# Altium PCB PROB_S7CAS_PCB.PcbDoc (part 5 of 6)
Units mil, origin at the board's own origin, x right, y up, seen from the top; angles counter-clockwise.
Board outline 5946.03 x 10918.8 mil, 16 copper layers (Top, Ground Plane 1, Data 1, Ground Plane 2, Data 2, Ground Plane 3, Power Plane 1, Ground plane 4, Power Plane 2, Ground Plane 5, Ground Plane 6, Data 3, Ground Plane 7, Data 4, Groud Plane 8, Bottom), stack 69.344 mil thick; 467 components, 340 nets, 2151 pads, 1273 vias.
Unrouted connection lines stored in the file: 425.
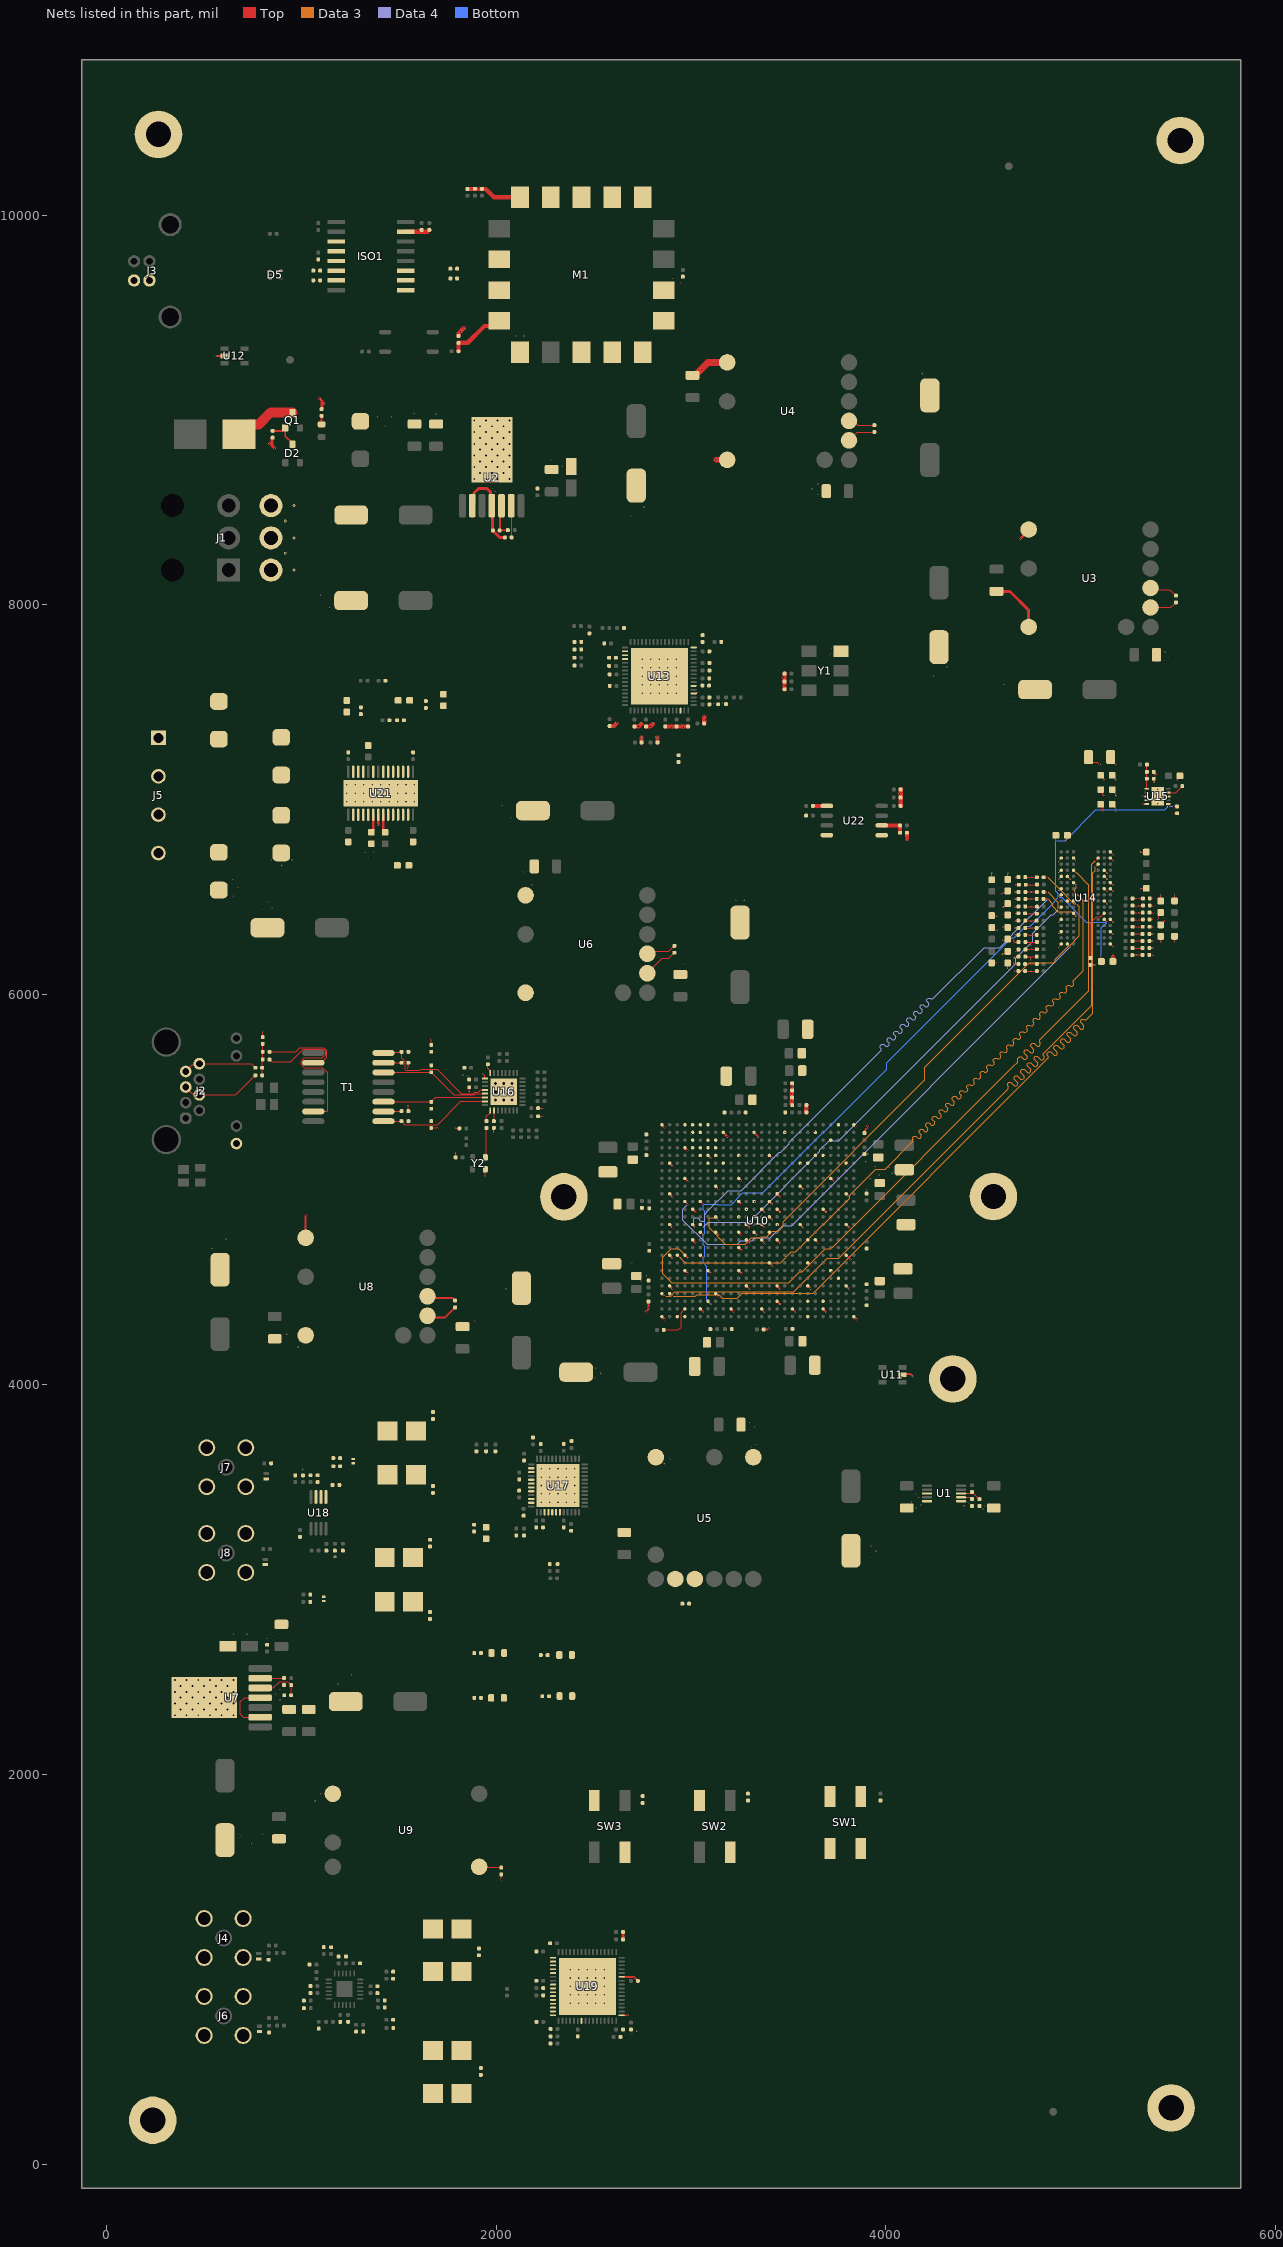
[diagram p19: the nets of this part, all layers, seen from the top]

## Via types
v1: diameter 7, hole 4, Top to Bottom, 1079 vias
v2: diameter 19.68, hole 7.87, Top to Bottom, 110 vias
v3: diameter 20, hole 10, Top to Bottom, 78 vias
v4: diameter 15, hole 4, Top to Bottom, 5 vias
v5: diameter 15, hole 6, Top to Bottom, 1 vias

## Nets (pads, with @x,y where several pads share a name; then routed paths per layer and width w, separated by ;. In a path a pad name is that pad's centre, name@x,y a point inside that pad or via, vN(x,y) a via of type N, cw(c..) or ccw(c..) an arc to the next point about the centre after c; other vN are vias at no path point) (continued)
DDR3_LDQS_P: U10.V3 U14.F3 | length 3884.9
  Top w4: U10.V3@2929.42,4663.62 2929.94,4663.62 2943.85,4649.71 v1(2944.36,4649.71) ; U14.F3@4962.28,6575.41 v1@4976.53,6561.16
  Data 3 w4: v1(2944.36,4649.71) 2967.99,4626.08 3459.89,4626.08 3514.05,4680.24 3537.83,4680.24 3813.96,4956.38 3813.96,4972.36 3946.99,5105.39 3995.42,5105.39 4135.62,5245.59 4137.03,5247 4137.03,5257.18 4136.61,5257.61 4136.61,5267.79 4143.4,5274.58 4153.58,5274.58 4164.61,5263.55 4174.79,5263.55 4181.58,5270.34 4181.58,5280.52 4170.55,5291.55 4170.55,5301.73 4177.34,5308.52 4187.52,5308.52 4198.55,5297.49 4208.73,5297.49 4215.52,5304.28 4215.52,5314.46 4204.49,5325.49 4204.49,5335.67 4211.28,5342.46 4221.46,5342.46 4232.49,5331.43 4242.67,5331.43 4249.46,5338.22 4249.46,5348.4 4238.43,5359.43 4238.43,5369.61 4245.22,5376.4 4255.4,5376.4 4266.43,5365.37 4276.62,5365.37 4283.4,5372.16 4283.4,5382.34 4272.37,5393.37 4272.37,5403.55 4279.16,5410.34 4289.34,5410.34 4300.37,5399.31 4310.56,5399.31 4317.35,5406.1 4317.35,5416.28 4306.31,5427.31 4306.31,5437.5 4313.1,5444.28 4323.28,5444.28 4334.32,5433.25 4344.5,5433.25 4351.29,5440.04 4351.29,5450.22 4340.26,5461.25 4340.26,5471.44 4347.04,5478.22 4357.23,5478.22 4368.26,5467.19 4378.44,5467.19 4385.23,5473.98 4385.23,5484.16 4378.17,5491.23 4378.17,5501.41 4384.95,5508.2 4395.14,5508.2 4402.2,5501.13 4412.38,5501.13 4419.17,5507.92 4419.17,5518.11 4415.67,5521.6 4415.67,5531.79 4422.46,5538.57 4432.64,5538.57 4436.14,5535.08 4446.32,5535.08 4453.11,5541.86 4453.11,5552.05 4449.61,5555.54 4449.61,5565.73 4456.4,5572.51 4466.58,5572.51 4470.08,5569.02 4480.26,5569.02 4487.05,5575.81 4487.05,5585.99 4483.55,5589.49 4483.55,5599.67 4490.34,5606.46 4500.52,5606.46 4504.02,5602.96 4514.2,5602.96 4520.99,5609.75 4520.99,5619.93 4517.49,5623.43 4517.49,5633.61 4524.28,5640.4 4534.46,5640.4 4537.96,5636.9 4548.14,5636.9 4554.93,5643.69 4554.93,5653.87 4551.44,5657.37 4551.44,5667.55 4558.22,5674.34 4568.41,5674.34 4571.9,5670.84 4582.09,5670.84 4588.87,5677.63 4588.87,5687.81 4585.38,5691.31 4585.38,5701.49 4592.16,5708.28 4602.35,5708.28 4605.84,5704.78 4616.03,5704.78 4622.82,5711.57 4622.82,5721.75 4619.32,5725.25 4619.32,5735.43 4626.11,5742.22 4636.29,5742.22 4639.79,5738.72 4649.97,5738.72 4656.76,5745.51 4656.76,5755.69 4653.26,5759.19 4653.26,5769.37 4660.05,5776.16 4670.23,5776.16 4673.73,5772.66 4683.91,5772.66 4690.7,5779.45 4690.7,5789.63 4687.2,5793.13 4687.2,5803.31 4693.99,5810.1 4704.17,5810.1 4707.67,5806.61 4717.85,5806.61 4724.64,5813.39 4724.64,5823.58 4721.14,5827.07 4721.14,5837.26 4727.93,5844.04 4738.11,5844.04 4741.61,5840.55 4751.79,5840.55 4758.58,5847.33 4758.58,5857.52 4755.08,5861.01 4755.08,5871.2 4761.87,5877.98 4772.05,5877.98 4775.55,5874.49 4785.73,5874.49 4792.52,5881.28 4792.52,5891.46 4789.02,5894.96 4789.02,5905.14 4795.81,5911.93 4805.99,5911.93 4809.49,5908.43 4819.67,5908.43 4826.46,5915.22 4826.46,5925.4 4822.96,5928.9 4822.96,5939.08 4829.75,5945.87 4839.93,5945.87 4843.43,5942.37 4853.62,5942.37 4860.4,5949.16 4860.4,5959.34 4856.91,5962.84 4856.91,5973.02 4863.69,5979.81 4873.88,5979.81 4877.37,5976.31 4887.56,5976.31 4894.34,5983.1 4894.34,5993.28 4890.85,5996.78 4890.85,6006.96 4897.63,6013.75 4907.82,6013.75 4911.31,6010.25 4921.5,6010.25 4928.29,6017.04 4928.29,6027.22 4924.79,6030.72 4924.79,6040.9 4931.58,6047.69 4941.76,6047.69 4945.26,6044.19 4955.44,6044.19 4962.23,6050.98 4962.23,6061.16 4961.8,6061.59 4961.8,6071.77 4965.59,6075.56 5013,6122.97 5013,6469.1 5010,6472.1 5010,6486.33 4982.82,6513.5 4980.7,6513.5 4968.07,6526.14 4968.07,6538.99 4976.57,6547.49 v1(4976.57,6561.16)
DDR3_ODT: R48.1 U10.P6 U14.K1 | length 2698.4
  Top w4: R48.1@4809.18,6527.04 4824,6527.04 4826.59,6529.64 v1(4827.4,6529.64) ; v1(4884.95,6435.85) 4885.31,6435.85 4898.88,6449.42 U14.K1@4899.24,6449.42
  Data 3 w4: v1(4827.4,6529.64) 4884.95,6472.1 v1(4884.95,6435.85)
  Data 4 w4: v1(3061.86,4806.85) 3088.65,4833.64 3297.52,4833.64 3660.91,5197.03 3660.91,5203.36 3708.51,5250.96 3757.01,5250.96 4665.93,6159.88 4665.93,6186.72 4753.7,6274.48 4753.7,6315.98 4847.25,6409.53 4858.62,6409.53 v1(4884.95,6435.85)
DDR3_RAS: R54.1 U10.N8 U14.J3 | length 3183.2
  Top w4: U10.N8@3126.27,4860.47 v1(3140.6,4846.22) ; R54.1@4809.08,6602.35 v1(4830,6602.35) ; U14.J3@4962.28,6480.92 v1@4976.53,6466.67
  Data 3 w4: v1(3140.6,4846.22) 3132.1,4854.72 3097.71,4854.72 3092.73,4849.74 3092.73,4803.33 3176.45,4719.61 3277.56,4719.61 3309.93,4751.98 3353.55,4751.98 3360.29,4758.73 3389.59,4758.73 3417.15,4786.29 3447.02,4786.29 3472.43,4811.7 3472.43,4836.26 4199.77,5563.6 4199.77,5627.86 4735.87,6163.97 4861.45,6163.97 4867.48,6170 4867.48,6180.63 4941.55,6254.7 4944.32,6254.7 4992,6302.38 4992,6451.23 v1(4976.57,6466.67) 4964.55,6466.67 4886.06,6545.15 4886.06,6546.29 v1(4830,6602.35)
DDR3_RESET: U10.L4 U14.T2 | length 2803
  Top w4: U10.L4@2968.79,4939.21 v1(2983.12,4924.96) ; U14.T2@4930.78,6260.44 v1@4945.03,6246.2
  Data 4 w4: v1(2983.12,4924.96) 2958.58,4900.42 2958.58,4844.13 3083.1,4719.61 3238.19,4719.61 3255.19,4736.61 3314.13,4736.61 3329.5,4751.98 3406.88,4751.98 3470.25,4815.35 3516.23,4815.35 4943.57,6242.7 4943.57,6243.88 4945.07,6245.38 v1(4945.07,6246.2)
DDR3_UDM: U10.V4 U14.D3 | length 3906.5
  Top w4: U10.V4@2968.79,4663.62 2969.31,4663.62 2983.22,4649.71 v1(2983.73,4649.71) ; U14.D3@4962.28,6638.4 4974.73,6625.94 4977.21,6625.94 v1(4977.79,6625.37)
  Data 3 w4: v1(2983.73,4649.71) 2936.2,4697.24 2899.41,4697.24 2855.06,4652.89 2855.06,4568.53 2900.82,4522.76 3501.47,4522.76 3557.84,4579.13 3571.04,4579.13 3683.28,4691.37 3683.28,4692.26 3688.26,4697.24 3717.73,4697.24 3724.73,4704.24 3726.15,4704.24 4654.12,5632.21 4676.56,5654.66 4676.56,5664.84 4676.56,5675.02 4683.35,5681.81 4693.53,5681.81 4707.47,5667.87 4717.65,5667.87 4724.44,5674.66 4724.44,5684.84 4708.85,5700.43 4708.85,5710.61 4715.64,5717.4 4725.83,5717.4 4741.61,5701.61 4751.8,5701.61 4758.58,5708.4 4758.58,5718.58 4742.8,5734.37 4742.8,5744.55 4749.58,5751.34 4759.77,5751.34 4775.56,5735.55 4785.74,5735.55 4792.53,5742.34 4792.53,5752.52 4788.57,5756.48 4788.57,5766.66 4789.98,5768.08 5041,6019.1 5041,6562.16 v1(4977.79,6625.37)
DDR3_UDQS_N: U10.AC1 U14.B7 | length 3905.7
  Top w4: U10.AC1@2850.68,4466.77 v1(2865.01,4452.52) ; v1(5073.92,6687.82) 5074.28,6687.82 5087.86,6701.39 U14.B7@5088.22,6701.39
  Data 3 w4: v1(2865.01,4452.52) 2892.28,4452.52 2916.15,4476.39 3526.44,4476.39 3698.62,4648.58 3757.62,4648.58 4626.27,5517.23 4627.68,5518.65 4627.68,5528.83 4623.72,5532.79 4623.72,5542.97 4630.51,5549.76 4640.69,5549.76 4658.79,5531.66 4668.98,5531.66 4675.76,5538.44 4675.76,5548.63 4657.66,5566.73 4657.66,5576.91 4664.45,5583.7 4674.63,5583.7 4692.74,5565.6 4702.92,5565.6 4709.71,5572.39 4709.71,5582.57 4691.6,5600.67 4691.6,5610.85 4698.39,5617.64 4708.57,5617.64 4726.68,5599.54 4736.86,5599.54 4743.65,5606.33 4743.65,5616.51 4725.54,5634.61 4725.54,5644.79 4732.33,5651.58 4742.52,5651.58 4760.62,5633.48 4770.8,5633.48 4777.59,5640.27 4777.59,5650.45 4759.49,5668.55 4759.49,5678.74 4766.27,5685.52 4776.46,5685.52 4794.56,5667.42 4804.74,5667.42 4811.53,5674.21 4811.53,5684.39 4807.57,5688.35 4807.57,5698.53 4809.49,5700.46 5055.01,5945.97 5055.01,6285.26 5055,6668.9 v1(5073.92,6687.82)
DDR3_UDQS_P: U10.AC2 U14.C7 | length 3906.3
  Top w4: U10.AC2@2890.05,4466.77 v1(2904.3,4452.52) ; v1(5073.92,6656.32) 5074.28,6656.32 5087.86,6669.89 U14.C7@5088.22,6669.89
  Data 3 w4: v1(2904.3,4452.52) 3020.37,4452.52 3028.87,4461.02 3144.12,4461.02 3161.12,4444.02 3238.19,4444.02 3263.56,4469.39 3625.93,4469.39 4830.34,5673.8 4831.75,5675.21 4831.75,5685.39 4827.79,5689.35 4827.79,5699.54 4834.58,5706.32 4844.76,5706.32 4862.86,5688.22 4873.05,5688.22 4879.83,5695.01 4879.83,5705.19 4861.73,5723.29 4861.73,5733.48 4868.52,5740.26 4878.7,5740.26 4896.81,5722.16 4906.99,5722.16 4913.78,5728.95 4913.78,5739.13 4895.67,5757.24 4895.67,5767.42 4902.46,5774.21 4912.64,5774.21 4930.75,5756.1 4940.93,5756.1 4947.72,5762.89 4947.72,5773.07 4929.62,5791.18 4929.62,5801.36 4936.4,5808.15 4946.59,5808.15 4964.69,5790.04 4974.87,5790.04 4981.66,5796.83 4981.66,5807.02 4963.56,5825.12 4963.56,5835.3 4970.34,5842.09 4980.53,5842.09 4998.63,5823.99 5008.81,5823.99 5015.6,5830.77 5015.6,5840.96 4998.2,5858.36 4998.2,5868.54 5004.99,5875.33 5015.17,5875.33 5018.43,5872.07 5028.61,5872.07 5055.33,5898.79 5062.01,5905.47 5062.01,6624.93 5073.92,6636.85 v1(5073.92,6656.32)
DDR3_VTT: C124.2 C125.2 C126.2 C129.2 C130.2 C131.2 C132.2 C133.2 C134.2 C135.2 C136.2 C137.2 C138.2 C139.2 C140.2 C141.2 C142.2 C143.2 C144.2 C145.2 C146.2 C147.2 C148.2 C149.2 C150.2 C151.2 C152.2 C153.2 C154.2 C155.2 C156.2 C157.2 C158.2 R34.2 R35.2 R36.2 R37.2 R38.2 R39.2 R40.2 R41.2 R42.2 R43.2 R44.2 R45.2 R46.2 R47.2 R48.2 R49.2 R50.2 R51.2 R52.2 R53.2 R54.2 R55.2 R56.2 U15.3 U15.5 | length 1759.9
  Top w4: v1(4594.34,6518.07) 4595.15,6518.07 4600.05,6522.97 4614.91,6522.97 C130.2@4624.46,6532.52 ; v1(4596.14,6208.16) 4596.95,6208.16 4601.46,6212.67 4614.75,6212.67 C133.2@4624.46,6222.39 ; v1(4600,6278.63) 4617.78,6278.63 C132.2@4624.46,6285.31 ; v1(4601.41,6450.22) 4601.98,6450.8 4606.13,6450.8 4622.83,6467.49 C131.2@4624.46,6467.49 ; C149.2@4714.19,6121.25 R47.2@4773.89,6121.25 ; C145.2@4714.19,6157.7 4714.59,6158.1 v1@4742.85,6158.1 ; C153.2@4714.22,6417.71 4715.33,6416.6 4773,6416.6 R51.2@4774.1,6415.5 ; C151.2@4714.4,6380.26 4714.59,6380.06 4772.86,6380.06 R49.2@4773.05,6379.87 ; C136.2@4714.46,6306.76 4733.7,6306.76 4735.1,6305.35 v1(4745.2,6305.35) ; C139.2@4714.43,6342.32 4714.66,6342.1 4737.8,6342.1 4739.11,6343.4 v1(4749.3,6343.4) ; C155.2@4714.65,6453.16 4715.41,6452.4 4773.64,6452.4 R53.2@4774.4,6451.63 ; C156.2@4714.77,6603.31 4715.25,6602.83 4773.6,6602.83 R54.2@4774.08,6602.35 ; C157.2@4715,6491.18 R56.2@4773.71,6491.18 ; C150.2@4715.01,6527.04 R48.2@4774.18,6527.04 ; C143.2@4715.19,6195.35 4715.4,6195.56 4743.41,6195.56 ; C141.2@4715.19,6270.13 4741.89,6270.13 ; C138.2@4715.44,6231.72 4716.19,6232.47 4773.42,6232.47 R36.2@4774.17,6233.22 ; C158.2@4717.03,6564.28 4717.55,6564.8 4774.25,6564.8 R55.2@4774.77,6565.32 ; v1(4743.25,6155.47) 4743.25,6157.7 R43.2@4773.9,6157.71 ; v1(4743.62,6179.85) 4743.62,6195.35 R41.2@4773.74,6195.35 ; v1@4743.81,6306.62 4773.27,6306.62 R34.2@4773.43,6306.45 ; v1(4743.88,6252.64) 4743.88,6262.16 4741.89,6264.14 4741.89,6270.13 ; v1@4750.83,6342.33 R37.2@4773.23,6342.33 ; R39.2@4774.4,6270.13 4741.89,6270.13 ; C129.2@5152.62,7219 5152.62,7207.61 5179.39,7180.83 v1(5180,7180.83) ; C126.2@5160.69,6976.66 5160.69,6975.02 5180,6955.71 v1(5180,6940) ; C125.2@5160.69,7052.3 5160.69,7050.66 5180,7031.35 v1(5180,7017.21) ; C124.2@5160.69,7125.48 5160.69,7123.84 5179.43,7105.1 5179.43,7100.57 v1(5180,7100) ; R42.2@5264.09,6203.14 5264.67,6203.72 5315.37,6203.72 C144.2@5315.95,6204.3 ; R40.2@5264.19,6275.69 C142.2@5316.36,6275.7 ; R45.2@5264.3,6239.49 C147.2@5316.36,6239.5 ; R44.2@5264.31,6457.65 C146.2@5318.3,6457.65 ; R38.2@5264.51,6312.31 5265.08,6311.73 5315.79,6311.73 C140.2@5316.36,6311.16 ; R46.2@5265.06,6421.39 C148.2@5317.18,6421.4 ; R35.2@5265.11,6348.76 C137.2@5317.23,6348.76 ; R52.2@5265.11,6493.74 C154.2@5318.3,6493.75 ; R50.2@5265.34,6385.62 C152.2@5317.75,6385.62 ; v1(5315.37,7017.21) U15.3@5338.6,7017.21 ; v1(5315.95,6976.66) 5316.76,6976.66 5317.94,6977.84 U15.5@5338.6,6977.84 ; v1(5393.72,6390) 5400.42,6396.74 5400.42,6412.87 C135.2@5409.47,6421.92 ; C134.2@5409.47,6358.4 5409.47,6358.9 5429.43,6378.86 5429.43,6385.85 v1(5430,6386.43)
  other v1: 4744.04,6121.25 5290.02,6203.72 4744.81,6232.47 5290.33,6239.5 5290.28,6275.69 5290.43,6311.73 5291.17,6348.76 4743.72,6380.06 5291.54,6385.62 4744.16,6416.6 5291.12,6421.4 4744.53,6452.4 5291.3,6457.65 4744.36,6491.18 5291.7,6493.75 4744.59,6527.04 4745.9,6564.8 4744.43,6602.83
DDR3_WE: R56.1 U10.P5 U14.L3 | length 3140.8
  Top w4: U10.P5@3008.16,4821.1 v1(3022.49,4806.85) ; R56.1@4808.71,6491.18 v1(4830,6491.18) ; U14.L3@4962.24,6417.92 v1(4976.5,6403.68)
  Data 3 w4: v1(4830,6491.18) 4856,6465.18 4856,6452.77 4882.1,6426.67 4953.57,6426.67 v1(4976.5,6403.68) v1(4976.5,6403.68)
  Data 4 w4: v1(3022.49,4806.85) 3013.99,4815.35 3013.99,4849.74 3018.97,4854.72 3033.68,4854.72 3050.68,4837.72 3065.38,4837.72 3070.36,4842.7 3070.36,4857.41 3070.36,4872.17 3080.94,4882.75 3080.94,4886.4 3189.74,4995.2 3256.62,4995.2 3453.47,5192.05 3459.09,5192.05 3503.43,5236.4 3503.43,5242.02 3974.37,5712.95 3975.78,5714.37 3975.78,5724.55 3971.82,5728.51 3971.82,5738.69 3978.61,5745.48 3988.79,5745.48 3998.97,5735.3 4009.15,5735.3 4015.94,5742.09 4015.94,5752.27 4005.76,5762.45 4005.76,5772.63 4012.55,5779.42 4022.74,5779.42 4032.91,5769.24 4043.1,5769.24 4049.88,5776.03 4049.88,5786.22 4039.71,5796.39 4039.71,5806.58 4046.49,5813.36 4056.68,5813.36 4066.85,5803.19 4077.04,5803.19 4083.83,5809.97 4083.83,5820.16 4073.65,5830.33 4073.65,5840.52 4080.44,5847.31 4090.62,5847.31 4100.8,5837.13 4110.98,5837.13 4117.77,5843.92 4117.77,5854.1 4107.59,5864.28 4107.59,5874.46 4114.38,5881.25 4124.56,5881.25 4134.74,5871.07 4144.92,5871.07 4151.71,5877.86 4151.71,5888.04 4141.53,5898.22 4141.53,5908.4 4148.32,5915.19 4158.5,5915.19 4168.68,5905.01 4178.86,5905.01 4185.65,5911.8 4185.65,5921.98 4175.47,5932.16 4175.47,5942.34 4182.26,5949.13 4192.44,5949.13 4202.62,5938.95 4212.8,5938.95 4219.59,5945.74 4219.59,5955.92 4209.41,5966.1 4209.41,5976.28 4216.2,5983.07 4226.38,5983.07 4230.34,5979.11 4240.52,5979.11 4242.4,5980.98 4503.14,6241.72 4583.62,6241.72 4651.5,6309.61 4651.5,6311.92 4830,6490.42 v1(4830,6491.18)
DDR_VREF: C128.2 C160.2 C161.2 U10.AD7 U10.L6 U10.R6 U10.V6 U14.H1 U14.M8 U15.6 | length 4712.8
  Top w4: U10.V6@3047.53,4663.62 3048.05,4663.62 3061.96,4649.71 v1(3062.47,4649.71) ; U10.R6@3047.57,4781.73 v1@3061.82,4767.48 ; U10.L6@3047.57,4939.21 v1@3061.82,4924.96 ; U10.AD7@3086.9,4427.4 v1(3101.23,4413.15) ; v1(4871.74,6790) C161.2@4871.74,6817.21 ; v1(4884.95,6498.84) 4885.31,6498.84 4898.88,6512.41 U14.H1@4899.24,6512.41 ; C160.2@5105.23,6170.6 v1(5105.23,6195.35) ; U14.M8@5119.76,6386.43 5134.06,6372.13 5135.85,6372.13 v1(5136.42,6371.55) ; v1(5448.84,6965.83) U15.6@5448.84,6977.84 ; v1(5474.24,6966.01) 5474.33,6965.92 5493.63,6965.92 C128.2@5493.72,6965.83
  Bottom w4: v1(3101.23,4413.15) 3081.85,4432.53 3081.85,4605.48 3062.47,4624.87 v1(3062.47,4649.71) 3070.36,4657.61 3070.36,4708.29 3061.86,4716.79 v1(3061.86,4767.48) 3070.36,4775.98 3070.36,4889.11 3061.86,4897.61 v1(3061.86,4924.96) 3133.3,4924.96 3135,4923.27 3205.63,4923.27 3265.21,4982.85 3367.99,4982.85 4002.77,5617.63 4002.77,5650.85 4644.44,6292.52 4658.87,6292.52 4717.17,6350.83 4741.22,6350.83 4858.95,6468.56 4858.95,6472.84 v1(4884.95,6498.84) ; v1(5105.23,6195.35) 5105.23,6343.36 v1@5134.05,6372.18 ; v1(5136.42,6371.55) 5135.85,6372.13 5134.1,6372.13 v1@5134.05,6372.18 ; v1(5474.24,6966.01) 5474.15,6965.92 5448.93,6965.92 v1(5448.84,6965.83) 5431.5,6948.5 5077.26,6948.5 4918.76,6790 v1(4871.74,6790) 4871.74,6531.52 4884.95,6518.32 v1(4884.95,6498.84) ; v1(4884.95,6498.84) 4900.88,6498.84 5027.54,6372.18 v1@5134.05,6372.18
DN: D5.3 J3.2 R122.2
DP: D5.5 J3.3 R125.2
DRV8811_AOUT1: D7.1 J5.1 U21.4
DRV8811_AOUT2: D12.1 J5.4 U21.25
DRV8811_BOUT1: D9.1 J5.2 U21.11
DRV8811_BOUT2: D10.1 J5.3 U21.18
DRV8811_DIR: U10.E8 U21.3
DRV8811_EN: U10.A7 U21.26
DRV8811_HOME: U10.F9 U21.2
DRV8811_RESET: U10.C7 U21.17
DRV8811_SLEEP: U10.D6 U21.27
DRV8811_SR: U10.C8 U21.16
DRV8811_STEP: U10.A5 U21.19
DRV8811_USM0: U10.D7 U21.13
DRV8811_USM1: U10.D8 U21.12
FLASH_C: R116.1 R118.2 U10.AD22 U22.6 | length 131.4
  Top w20: U22.6@3978.54,6868.58 R116.1@4072.48,6868.58 R118.2@4072.48,6831.07
FLASH_CS: R115.1 U10.AF4 U22.1 | length 71.8
  Top w20: R115.1@3625.29,6968.58 U22.1@3697.05,6968.58
FLASH_DQ0: U10.AF20 U22.5
FLASH_DQ1: R117.2 U10.AD20
FPGA_BTN0: R29.2 SW2.2 SW2.3 U10.T20
FPGA_BTN1: R30.2 SW3.2 SW3.3 U10.AA24
FPGA_LED0: D14.A U10.A4
FPGA_LED1: D15.A U10.E6
FPGA_LED2: D16.A U10.D5
FPGA_LED3: D17.A U10.C5
FPGA_RESET: R23.1 SW1.1 SW1.4 U10.AF3
GND: C1.1 C2.1 C3.1 C4.1 C5.1 C6.1 C7.1 C8.2 C9.1 C10.1 C11.1 C12.1 C13.1 C14.2 C15.1 C16.2 C17.1 C18.2 C19.1 C20.2 C21.1 C22.2 C23.1 C24.2 C25.1 C26.1 C27.1 C28.2 C29.1 C30.2 C31.1 C32.1 C33.1 C34.2 C35.1 C36.1 C37.1 C38.1 C39.1 C40.2 C41.1 C42.2 C43.1 C44.2 C45.1 C46.1 C47.1 C48.1 C49.1 C50.1 C51.1 C52.1 C53.1 C54.1 C55.1 C56.1 C57.1 C58.1 C59.1 C60.1 C61.1 C62.1 C63.1 C64.1 C65.1 C66.1 C67.1 C68.1 C69.1 C70.1 C71.1 C72.1 C73.1 C74.1 C75.1 C76.1 C77.1 C78.1 C79.1 C80.1 C81.1 C82.1 C83.1 C84.1 C85.1 C86.1 C87.1 C88.1 C89.1 C90.1 C91.1 C92.1 C93.1 C94.1 C95.1 C96.1 C97.1 C98.1 C99.1 C100.1 C101.1 C102.1 C103.1 C104.1 C105.1 C106.1 C107.1 C108.1 C109.1 C110.1 C111.1 C112.1 C113.1 C114.1 C115.1 C116.1 C117.1 C118.1 C119.1 C120.1 C121.1 C122.1 C123.1 C124.1 C125.1 C126.1 C127.1 C128.1 C129.1 C130.1 C131.1 C132.1 C133.1 C134.1 C135.1 C136.1 C137.1 C138.1 C139.1 C140.1 C141.1 C142.1 C143.1 C144.1 C145.1 C146.1 C147.1 C148.1 C149.1 C150.1 C151.1 C152.1 C153.1 C154.1 C155.1 C156.1 C157.1 C158.1 C159.1 C160.1 C161.1 C162.1 C163.1 C164.1 C165.1 C166.1 C167.1 C168.1 C169.1 C170.1 C171.1 C172.1 C173.1 C174.1 C175.1 C176.1 C177.1 C182.1 C183.1 C184.1 C185.1 C186.1 C187.1 C188.1 C189.1 C190.1 C191.1 C192.1 C193.1 C194.1 C195.1 C196.2 C197.2 C198.2 C199.1 C200.1 C201.1 C202.1 C203.1 C204.1 C208.1 C210.1 C211.1 C212.1 C213.1 C214.1 C215.1 C216.1 C217.1 C218.1 C219.1 C220.1 C221.1 C222.1 C223.1 C224.1 C225.1 C226.2 C227.2 C228.2 C229.2 C230.2 C231.2 C232.2 C233.2 C234.1 C235.1 C236.1 C237.1 C238.1 C239.1 C240.1 C241.1 C244.1 C245.1 C246.1 C247.2 C248.1 C249.1 C250.1 C251.1 C252.1 C253.1 C254.1 C255.1 C256.1 C259.1 C260.1 D4.2 D6.2 D7.2 D8.2 D9.2 D10.2 D11.2 D12.2 D13.2 ISO1.9 ISO1.15 J1.4 J1.5 J1.6 J2.9 J4.2 J4.3 J4.4 J4.5 J6.2 J6.3 J6.4 J6.5 J7.2 J7.3 J7.4 J7.5 J8.2 J8.3 J8.4 J8.5 M1.1 M1.7 M1.14 MTH1.1 MTH2.1 MTH3.1 MTH4.1 MTH5.1 MTH6.1 MTH7.1 R1.1 R12.1 R13.1 R19.1 R20.1 R24.1 R25.1 R26.1 R27.1 R28.1 R29.1 R30.1 R31.1 R32.1 R33.1 R59.1 R60.1 R75.1 R79.1 R81.1 R82.1 R83.1 R89.1 R90.1 R91.1 R95.2 R96.1 R102.2 R104.1 R108.2 R109.1 R111.1 R112.1 R113.1 R114.1 R118.1 R121.1 SW1.2 SW1.3 U1.3 U1.5 U1.6 U2.2 U2.4 U2.8 U3.1 U3.3 U4.1 U4.3 U5.1 U5.3 U6.1 U6.3 U7.2 U7.4 U7.8 U8.1 U8.3 U9.1 U10.A1 U10.A26 U10.AB2 U10.AB12 U10.AB16 U10.AB20 U10.AB25 U10.AC8 U10.AD16 U10.AE6 U10.AE10 U10.AE14 U10.AE18 U10.AE22 U10.AF1 U10.AF26 U10.B5 U10.B9 U10.B13 U10.B17 U10.B21 U10.D4 U10.E7 U10.E11 U10.E15 U10.E22 U10.F2 U10.F19 U10.F25 U10.H4 U10.H11 U10.H23 U10.J8 U10.J19 U10.K2 U10.K16 U10.K25 U10.L11 U10.L13 U10.L15 U10.M5 U10.M12 U10.M14 U10.M16 U10.M22 U10.N11 U10.N13 U10.N15 U10.P2 U10.P12 U10.P14 U10.P16 U10.P19 U10.P25 U10.R8 U10.R11 U10.R13 U10.R15 U10.T5 U10.T12 U10.T14 U10.T16 U10.T21 U10.U11 U10.V2 U10.V25 U10.W15 U10.W20 U10.Y4 U10.Y7 U10.Y11 U10.Y23 U11.2 U12.2 U13.36 U13.PAD U14.A9 U14.B1 U14.B3 U14.B9 U14.D1 U14.D8 U14.E1 U14.E2 U14.E8 U14.F9 U14.G1 U14.G8 U14.G9 U14.J2 U14.J8 U14.M1 U14.M9 U14.P1 U14.P9 U14.T1 U14.T9 U15.4 U15.8 U15.11 U16.1 U16.33 U16.34 U16.35 U16.36 U16.37 U16.38 U16.39 U16.40 U16.41 U16.42 U17.5 U17.41 U17.44 U17.PAD U19.17 U19.18 U19.21 U19.24 U19.27 U19.28 U19.31 U19.32 U19.39 U19.49 U19.59 U19.PAD U21.7 U21.21 U21.PAD U22.4 Y1.3 Y2.2 | length 6675.4